# EAGLE board real_onboard_v8 v10 (EAGLE 9.7.0)
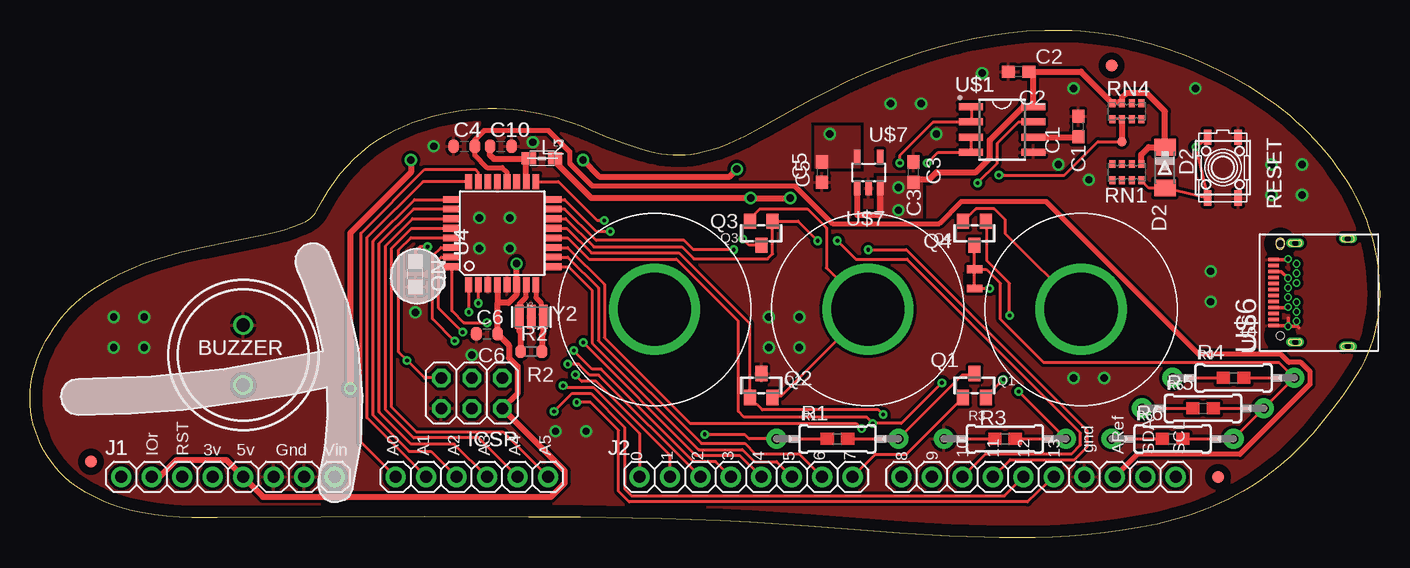
[diagram p0: board, top side]
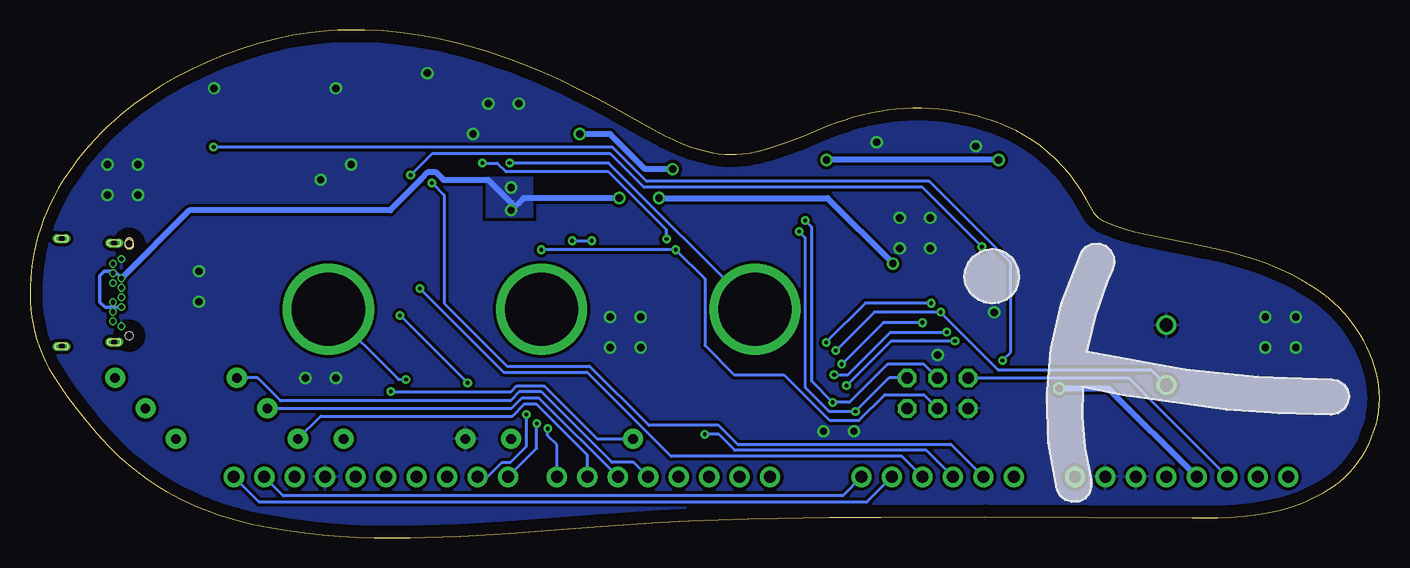
[diagram p1: board, bottom side, seen from below]

Size 112.5 x 42.33 mm. Coordinates in mm from the lower left corner, seen from the top.
Outline: 81.08,0 80.82,0 79.56,0.04 78.09,0.1 76.65,0.16 75.24,0.23 73.86,0.32 72.49,0.41 69.79,0.62 64.9,0.99 60.01,1.29 57.56,1.42 55.11,1.52 52.65,1.6 50.2,1.65 45.88,1.71 41.55,1.74 32.9,1.75 15.59,1.67 13.5,1.69 12.45,1.73 11.41,1.81 10.37,1.93 9.34,2.1 8.32,2.32 7.3,2.62 6.75,2.81 6.21,3.02 5.68,3.25 5.17,3.5 4.68,3.77 4.21,4.06 3.76,4.37 3.32,4.7 2.91,5.06 2.52,5.44 2.15,5.85 1.8,6.29 1.48,6.75 1.19,7.24 0.91,7.76 0.67,8.31 0.46,8.88 0.29,9.44 0.16,10 0.07,10.55 0.02,11.11 0,11.66 0.02,12.2 0.07,12.74 0.16,13.28 0.28,13.82 0.43,14.35 0.61,14.88 0.82,15.4 1.06,15.92 1.33,16.43 1.63,16.95 1.94,17.44 2.27,17.9 2.62,18.35 2.98,18.77 3.37,19.17 3.77,19.56 4.19,19.92 4.62,20.27 5.06,20.59 5.52,20.91 6.47,21.49 7.47,22.01 8.51,22.49 9.48,22.88 10.47,23.22 11.47,23.52 12.48,23.79 14.52,24.26 16.57,24.69 19.64,25.31 20.41,25.49 21.17,25.7 21.92,25.93 22.66,26.21 23.04,26.39 23.38,26.63 23.67,26.92 23.8,27.09 23.91,27.27 24.39,28.13 24.85,28.92 25.34,29.66 25.87,30.35 26.43,30.99 27.01,31.59 27.63,32.15 28.27,32.66 28.95,33.14 29.65,33.57 30.38,33.96 31.13,34.31 31.91,34.63 32.71,34.91 33.54,35.15 34.39,35.36 35.26,35.53 36,35.65 36.73,35.73 37.45,35.79 38.18,35.81 38.9,35.81 39.61,35.78 40.33,35.72 41.04,35.63 41.74,35.52 42.45,35.39 43.15,35.22 43.85,35.04 44.54,34.83 45.23,34.59 45.92,34.34 46.61,34.05 48.07,33.44 49.55,32.88 50.3,32.62 51.05,32.39 51.82,32.19 52.6,32.03 53.1,31.96 53.6,31.92 54.1,31.92 54.59,31.94 55.09,31.99 55.58,32.07 56.08,32.18 56.57,32.3 57.34,32.54 58.09,32.81 58.82,33.13 59.54,33.47 60.95,34.22 62.34,35.01 63.79,35.82 65.24,36.61 66.71,37.37 68.2,38.09 69.7,38.77 71.23,39.4 72.78,39.99 74.35,40.52 75.79,40.95 77.23,41.32 78.69,41.64 80.15,41.91 81.62,42.11 83.1,42.25 84.59,42.32 86.1,42.33 86.86,42.3 87.61,42.26 88.36,42.19 89.11,42.1 90.59,41.87 92.06,41.56 93.5,41.18 94.93,40.73 96.35,40.21 97.75,39.63 99.05,39.02 100.32,38.37 101.55,37.67 102.74,36.91 103.89,36.09 105,35.2 105.54,34.74 106.06,34.25 106.57,33.75 107.07,33.23 107.57,32.68 108.05,32.11 108.51,31.54 108.95,30.95 109.37,30.36 109.77,29.75 110.14,29.13 110.48,28.5 110.81,27.85 111.11,27.19 111.38,26.52 111.62,25.84 111.84,25.14 112.02,24.42 112.18,23.7 112.31,22.95 112.4,22.29 112.46,21.62 112.49,20.97 112.5,20.32 112.48,19.67 112.43,19.03 112.36,18.39 112.25,17.77 112.11,17.14 111.94,16.53 111.73,15.92 111.5,15.32 111.23,14.72 110.92,14.13 110.58,13.55 110.21,12.97 109.42,11.87 108.62,10.78 107.79,9.73 106.92,8.7 106,7.72 105.04,6.78 104.03,5.89 103.5,5.47 102.95,5.06 102.36,4.65 101.76,4.26 101.16,3.9 100.54,3.56 99.92,3.23 99.29,2.93 98.65,2.65 98,2.38 96.69,1.91 95.34,1.5 93.98,1.16 92.59,0.87 91.1,0.62 89.61,0.42 88.13,0.27 86.67,0.15 85.22,0.07 83.81,0.03 82.42,0 81.08,0
Copper layers (1*16): Top 0.035mm / dielectric 1.5mm / Bottom 0.035mm
Design rules "default *": minimum track width 6mil, minimum drill 12mil, track to track 6mil, track to pad 6mil, pad to pad 6mil, via to via 6mil, smd to smd 6mil, copper to edge 40mil, drill to drill 6mil, minimum pad ring 4mil, minimum via ring 8mil, stop-mask expansion 4mil, vias tented up to drill 0mil, thermal gap 10mil
Net classes: 0 default: width 0.254 mm, clearance 0.254 mm; 1 power: width 0.61 mm, drill 0.61 mm, clearance 0.254 mm; 2 gnd: width 0.305 mm, drill 0.559 mm, clearance 0.254 mm; 3 usbvcc: width 0.508 mm, drill 0.61 mm, clearance 0.254 mm; 4 aref: width 0.406 mm, drill 0.61 mm, clearance 0.254 mm
tRestrict: area 35.7,28.7 to 36.1,29.2; area 35.6,21.7 to 36.1,22.1; area 42.6,28.7 to 43.2,29.1; area 60.7,12.3 to 61.1,12.8; area 37.7,34.4 to 38.1,35; area 37.9,19.6 to 38.4,20.2

## Footprints (pad centres in the part's own frame; a part is rotated, then mirrored left to right if it is on the bottom)
PLUGIN,D=12.5MM = drill 1.1: 1 -2.5,0; 2 2.5,0
C0603 = smd 1.1 x 1: 1 -0.85,0; 2 0.85,0
C0603-ROUND = smd 0.898 x 1.1: 1 -0.889,0; 2 0.889,0
MINIMELF = smd 1.4 x 1.8: A 1.7,0; C -1.7,0
FD-1-1.5 = smd 1.016 x 1.016: P$1 0,0
2X03 = drill 0.95 pad 1.55 octagon: 1 -2.54,-1.27; 2 -2.54,1.27; 3 0,-1.27; 4 0,1.27; 5 2.54,-1.27; 6 2.54,1.27
1X14-CUSTOM = drill 1 pad 1.676: 3V 0,15.24; 5V 0,12.7; A0 0,0; A1 0,-2.54; A2 0,-5.08; A3 0,-7.62; A4 0,-10.16; A5 0,-12.7; GND1 0,7.62; GND2 0,10.16; IOREF 0,20.32; RESERVED 0,22.86; RESET 0,17.78; VIN 0,5.08
1X18-CUSTOM = drill 1 pad 1.676: AREF 0,21.844; D0 0,-17.78; D1 0,-15.24; D2 0,-12.7; D3 0,-10.16; D4 0,-7.62; D5 0,-5.08; D6 0,-2.54; D7 0,0; D8 0,4.064; D9 0,6.604; D10 0,9.144; D11 0,11.684; D12 0,14.224; D13 0,16.764; GND 0,19.304; SCL 0,26.924; SDA 0,24.384
0805 = smd 1.2 x 1: 1 -1.1,0; 2 1.1,0
CHIP-LED0805 = smd 1.2 x 1.2: A 0,-1.05; C 0,1.05
SOT23-WIDE = smd 1 x 1.27: 1 -0.95,-1; 2 0.95,-1; 3 0,1
0603-THM = drill 0.813 pad 1.676: 1 -5.08,0; 2 5.08,0
R0603-ROUND = smd 0.898 x 1.1: 1 -0.889,0; 2 0.889,0
HXTS4550TP250GF009 = smd 1.27 x 0.635: 1 -2.54,1.27; 2 2.54,1.27; 3 -2.54,-1.27; 4 2.54,-1.27
CAY16 = smd 0.5 x 0.65: 1 -1.2,-0.675; 2 -0.4,-0.675; 3 0.4,-0.675; 4 1.2,-0.675; 5 1.2,0.675; 6 0.4,0.675; 7 -0.4,0.675; 8 -1.2,0.675
TP-SP = smd 0.8 x 0.8 bottom: X 0,0
TQFP32-08 = smd 1.27 x 0.559: 1 -4.293,2.8; 2 -4.293,2; 3 -4.293,1.2; 4 -4.293,0.4; 5 -4.293,-0.4; 6 -4.293,-1.2; 7 -4.293,-2; 8 -4.293,-2.8; 17 4.293,-2.8; 18 4.293,-2; 19 4.293,-1.2; 20 4.293,-0.4; 21 4.293,0.4; 22 4.293,1.2; 23 4.293,2; 24 4.293,2.8 | smd 0.559 x 1.27: 9 -2.8,-4.293; 10 -2,-4.293; 11 -1.2,-4.293; 12 -0.4,-4.293; 13 0.4,-4.293; 14 1.2,-4.293; 15 2,-4.293; 16 2.8,-4.293; 25 2.8,4.293; 26 2,4.293; 27 1.2,4.293; 28 0.4,4.293; 29 -0.4,4.293; 30 -1.2,4.293; 31 -2,4.293; 32 -2.8,4.293
SOIC-8 = smd 2 x 0.6: 1 -2.6,1.905; 2 -2.6,0.635; 3 -2.6,-0.635; 4 -2.6,-1.905; 5 2.6,-1.905; 6 2.6,-0.635; 7 2.6,0.635; 8 2.6,1.905
24.247 = drill 6.1 pad 7.6: P$1 0,0
WIRE_NC = smd 0.635 x 1.27: P$1 -0.8,0; P$2 0.8,0
HC005-1A1H1A103-0HR = smd 0.3 x 0.9: A1 -2.75,8.73; A2 -2.25,8.73; A3 -1.75,8.73; A4 -1.25,8.73; A5 -0.75,8.73; A6 -0.25,8.73; A7 0.25,8.73; A8 0.75,8.73; A9 1.75,8.73; A10 1.25,8.73; A11 2.25,8.73; A12 2.75,8.73 | drill 0.4 pad 0.65: B1 2.8,7.52; B2 2.4,6.81; B3 1.6,6.81; B4 1.2,7.52; B5 0.8,6.81; B6 0.4,7.52; B7 -0.4,7.52; B8 -0.8,6.81; B9 -1.2,7.52; B10 -1.6,6.81; B11 -2.4,6.81; B12 -2.8,7.52 | drill 0.5 pad 0.75 long: P$19 -4.49,2.53; P$20 -4.125,6.92; P$21 4.125,6.92; P$22 4.49,2.53 | hole 0.65: -3.6,8.17; 4.075,8.17
SOT23-5 = smd 0.55 x 1.2: 1 -0.95,-1.3; 2 0,-1.3; 3 0.95,-1.3; 4 0.95,1.3; 5 -0.95,1.3
RESONATOR = smd 0.7 x 2: 1 -1,0; 2 0,0; 3 1,0

## Placement (x,y rotation side)
BUZZER  ZL-YDW1207-4005PA-5  [PLUGIN,D=12.5MM]  17.78,15.24 90 top
C1  1nF  [C0603]  87.38,34.29 90 top
C2  0.1uF  [C0603]  82.42,38.86 180 top
C3  1uF  [C0603]  73.66,30.48 90 top
C4  100n  [C0603-ROUND]  36.2,32.64 0 top
C5  1uF  [C0603]  66.04,30.48 270 top
C6  100n  [C0603-ROUND]  38.1,17.02 0 top
C10  100nF  [C0603-ROUND]  39.24,32.64 0 top
D2  CD1206-S01575  [MINIMELF]  94.61,30.86 270 top
FD1  DNP  [FD-1-1.5]  5.08,6.35 0 top
FD2  DNP  [FD-1-1.5]  99.06,5.08 0 top
FD3  DNP  [FD-1-1.5]  90.17,39.37 0 top
ICSP  3x2 M  [2X03]  36.83,12.06 180 top
J1  -  [1X14-CUSTOM]  30.48,5.08 90 top
J2  PINHD-1X18-CUSTOM(PINHD-1X18)  [1X18-CUSTOM]  68.58,5.08 270 top
L2  10uH  [0805]  42.67,31.62 180 top
ON  GREEN  [CHIP-LED0805]  32.13,21.97 180 top
Q1  properties  [SOT23-WIDE]  78.74,12.7 0 top
Q2  MMBT2369A  [SOT23-WIDE]  60.96,12.7 0 top
Q3  MMBT2369A  [SOT23-WIDE]  60.96,25.4 180 top
Q4  MMBT2369A  [SOT23-WIDE]  78.74,25.4 180 top
R1  100k  [0603-THM]  67.31,8.26 0 top
R2  1M  [R0603-ROUND]  41.78,15.54 0 top
R3  50k  [0603-THM]  81.28,8.26 0 top
R4  100k  [0603-THM]  100.33,13.34 0 top
R5  10k  [0603-THM]  97.79,10.79 0 top
R6  1k  [0603-THM]  95.25,8.26 0 top
RESET  HX TS4550TP 250gf 009  [HXTS4550TP250GF009]  99.44,30.86 270 top
RN1  10K  [CAY16]  91.44,30.48 0 top
RN4  1K  [CAY16]  91.44,35.56 180 top
TP_ONL  TP_SP  [TP-SP]  91.04,33.02 0 bottom
U4  ATMEGA328P-AU  [TQFP32-08]  39.37,25.4 90 top
U$1  ACS712  [SOIC-8]  81.03,34.04 0 top
U$2  24.247.2  [24.247]  69.85,19.05 0 top
U$3  24.247  [24.247]  52.07,19.05 0 top
U$4  24.247  [24.247]  87.63,19.05 0 top
U$5  WIRE_NC  [WIRE_NC]  78.74,21.59 90 top
U$6  HC005-1A1H1A103-0HR  [HC005-1A1H1A103-0HR]  112.39,20.45 90 top
U$7  ME6212C33M5G  [SOT23-5]  69.92,30.45 0 top
Y2  CSTNE16M0VH3C000R0  [RESONATOR]  41.78,18.41 180 top

## Library data of the parts
BUZZER J1 J2 RESET U$2-U$4 U$7 = louis
C1-C3 C5 = rcl; SPICEPREFIX: C
C4 C6 ICSP R2 TP_ONL U4 Y2 = SmartPrj
C10 = Condensatori; CASE: 0603; MONTHLY_USAGE: _____; PART_NUMBER: 100nF_0603; PRICE: _____; SUPPLIER: _____; TYPE: Condensatori
D2 = Diode
FD1-FD3 = Arduino-utility; DATASHEET: DNP; DISTRIBUTOR-LINK: DNP; DISTRIBUTOR-PN: DNP; MANUFACTURER: DNP; MANUFACTURER-PN: DNP
L2 = Induttanze; CASE: 0805; MONTHLY_USAGE: _____; PART_NUMBER: CV201210-100K; PRICE: _____; SUPPLIER: _____; TYPE: Induttanze
ON = LED
Q1-Q4 = microbuilder (1)
R1 R3-R6 = louis-1
RN1 RN4 = resistor-dil
U$1 = Library
U$5 = bawa
U$6 = louis-3

## Nets
+3V3: C5.1 J1.3V U$7.5
+5V [usbvcc]: C2.1 C3.1 C6.2 D2.C ICSP.2 J1.5V J1.IOREF L2.1 RN1.5 RN4.3 RN4.4 U4.4 U4.6 U$1.8 U$6.A4 U$6.A9 U$6.B4 U$6.B9 U$7.1 U$7.3
A0: J1.A0 U4.23
A1: J1.A1 U4.24 U$1.7
A2: J1.A2 R1.1 R3.2 U4.25
A3: J1.A3 U4.26 U$5.P$1
A4/SDA: J1.A4 J2.SCL U4.27
A5/SCL: J1.A5 J2.SDA U4.28
AREF [aref]: C4.2 J2.AREF U4.20
GND [gnd]: BUZZER.2 C1.2 C2.2 C3.2 C4.1 C5.2 C6.1 C10.2 ICSP.6 J1.GND1 J1.GND2 J2.GND ON.C Q2.3 R3.1 RESET.1 RESET.2 U4.3 U4.5 U4.21 U$1.5 U$6.A1 U$6.A12 U$6.B1 U$6.B12 U$7.2 Y2.2
IO0: J2.D0 U4.30
IO1: J2.D1 U4.31
IO2: J2.D2 U4.32
IO3: BUZZER.1 J2.D3 U4.1
IO4: J2.D4 R4.1 U4.2
IO5: J2.D5 R5.1 U4.9
IO6: J2.D6 R6.1 U4.10
IO7: J2.D7 Q1.1 U4.11
IO8: J2.D8 Q4.1 U4.12
IO9: J2.D9 Q2.1 U4.13
IP+: U$1.1 U$1.2 U$3.P$1
IP-: Q3.3 U$1.3 U$1.4
MISO: ICSP.1 J2.D12 U4.16
MOSI: ICSP.4 J2.D11 U4.15
N$1: Q2.2 Q3.2 U$2.P$1
N$3: ON.A RN4.5 RN4.6 TP_ONL.X
N$4 [usbvcc]: C10.1 L2.2 U4.18
N$5: C1.1 U$1.6
N$6: Q1.2 Q4.2 U$4.P$1
OHMMETER: Q4.3 R4.2 R5.2 R6.2 U$5.P$2
RESET: D2.A ICSP.5 J1.RESET RESET.3 RESET.4 RN1.4 U4.29
SCK: ICSP.3 J2.D13 U4.17
SS: J2.D10 Q3.1 U4.14
VIN [power]: J1.VIN
VOLTMETER: Q1.3 R1.2
XTAL1: R2.1 U4.7 Y2.3
XTAL2: R2.2 U4.8 Y2.1

## Tracks (layer width: path | path; a pad name or v marks a point on that pad's centre or on a via)
+3V3  (via drill 0.61)
  Top 0.508: v46.1,31.5 47.48,30.12 58.31,30.12 v58.93,30.73 | v31.75,31.5 31.75,30.45 26.7,25.41 v26.7,12.45
  Bottom 0.508: J1.3V 22.61,12.45 v26.7,12.45 | v31.75,31.5 v46.1,31.5 | v58.93,30.73 61.21,30.73 64.14,33.66 v66.67,33.66
  pour Top (no thermals): 65.41,30.86 69.22,30.86 69.22,34.29 65.41,34.29
+5V  (via drill 0.61)
  Top 0.305: U$6.B4 104.33,22.2 U$6.A9 | U$6.A4 104.83,19.2 U$6.B9
  Top 0.508: RN1.5 92.64,31.93 93.27,32.56 D2.C 94.61,35.55 93.1,37.07 91.38,37.07 91.04,36.73 RN4.3 90.81,36.32 90.42,36.32 RN4.4 87.61,38.86 C2.1 83.63,38.8 U$1.8 82.8,35.94 80.01,33.15 80.01,31.62 78.87,30.48 75.56,30.48 74.94,29.86 73.89,29.86 C3.1 | 69.01,29.15 U$7.1 68.97,26.9 70.87,26.9 U$7.3 | J1.IOREF 10.79,5.08 12.19,6.48 16.38,6.48 J1.5V 19.43,3.43 43.43,3.43 44.58,4.57 44.58,5.59 ICSP.2 40.65,12.08 40.65,14.27 39.94,14.99 39.94,16.07 C6.2 38.98,19.58 | v40.57,22.86 U4.6 40.56,21.09 40.56,20.26 39.88,19.58 38.98,19.58 | L2.1 43.77,31.35 46.8,28.32 v60.07,28.32 v63.37,28.32 | U4.4 38.98,21.09 38.98,19.58
  Bottom 0.305: U$6.B4 105.45,22.23 106.3,22.23 106.68,21.84 106.68,19.66 106.24,19.21 105.41,19.21 104.91,19.21 104.88,19.21
  Bottom 0.508: v60.07,28.32 46.01,28.32 40.57,22.88 v40.57,22.86 | v63.37,28.32 71.37,28.32 v72.39,27.3 72.39,27.94 74.3,29.84 78.03,29.84 78.64,30.45 79.35,30.45 79.86,29.95 79.86,29.92 82.47,27.3 99.22,27.3 U$6.B4 | U$6.B9 104.91,19.21
  other vias: 72.39,29.21
  pour Top (no thermals): 70.61,26.67 74.42,26.67 74.42,30.1 70.61,30.1
  pour Bottom (no thermals): 70.61,26.67 74.42,26.67 74.42,30.1 70.61,30.1
A0
  Top 0.254: J1.A0 27.59,7.97 27.59,25.4 32.9,30.71 37.13,30.71 37.37,30.47 U4.23
A1  (via drill 0.3)
  Top 0.254: J1.A1 28.1,10 28.1,25.04 32.75,29.69 U4.24 | v78.99,29.59 80.64,31.24 80.64,32.88 82.43,34.67 U$1.7
  Bottom 0.254: J1.A1 35.75,7.81 53.53,7.81 55.09,9.37 60.91,9.37 65.86,14.33 72.75,14.33 77.98,19.56 77.98,28.57 v78.99,29.59
A2  (via drill 0.3)
  Top 0.254: J1.A2 33.42,7.22 31.6,7.22 28.61,10.21 28.61,24.76 32.05,28.2 U4.25 | v56.26,8.64 59.56,8.64 59.94,8.26 R1.1 | R3.2 v82.42,12.19
  Bottom 0.254: J1.A2 37.78,7.3 53.74,7.3 55.07,8.64 v56.26,8.64 | v82.42,12.19 72.41,12.19 71.93,12.68 69.64,12.68 65.22,8.26 R1.1
A3  (via drill 0.3)
  Top 0.254: J1.A3 35.36,7.82 31.77,7.82 29.12,10.47 29.12,24.55 31.97,27.4 U4.26 | U$5.P$1 v80.01,20.79
  Bottom 0.254: J1.A3 39.81,6.79 59.05,6.79 66.07,13.82 73.04,13.82 v80.01,20.79
A4/SDA
  Top 0.254: J1.A4 37.39,8.33 31.98,8.33 29.63,10.69 29.63,24.34 31.89,26.6 U4.27
  Bottom 0.254: J2.SCL 93.43,3 42.72,3 J1.A4
A5/SCL
  Top 0.254: J1.A5 39.42,8.84 32.19,8.84 30.13,10.89 30.13,24.13 31.8,25.8 U4.28
  Bottom 0.254: J1.A5 44.75,3.51 91.39,3.51 J2.SDA
AREF
  Top 0.406: U4.20 39.75,29.72 39.75,30.48 39.37,30.86 38.1,30.86 37.08,31.88 C4.2 37.08,33.19 37.83,33.94 43.23,33.94 44.98,32.19 44.98,31.21 46.86,29.34 63.75,29.34 66.9,26.19 75.8,26.19 77.62,28.02 84.72,28.02 97.43,15.3 104.27,15.3 104.94,14.63 105.95,14.63 106.7,13.87 106.7,12.8 100.87,6.96 92.3,6.96 J2.AREF
GND  (via drill 0.61)
  Top 0.305: U$6.A12 104.83,23.2 U$6.B1 | U$6.A1 104.83,17.7 U$6.B12 | U$6.B12 105.67,17.65 105.79,17.53 | U$6.B12 104.9,17.67 104.9,18.29
  other vias: 33.66,32.64 32.13,18.8 36.83,15.24 37.47,24.13 41.91,32.97 37.47,26.67 40.01,26.67 40.01,24.13 75.56,33.66 79.38,38.73 87,37.47 97.16,37.47 103.5,31.11 103.5,28.57 106.05,31.11 106.05,28.57 88.27,29.84 85.72,31.11 43.81,8.89 46.35,8.89 61.59,15.88 61.59,18.41 64.14,15.88 64.14,18.41 87,13.34 89.53,13.34 71.75,36.2 74.3,36.2 98.42,22.23 98.42,19.68 6.99,18.41 6.99,15.88 9.53,18.41 9.53,15.88
  pour Top (rank 6): -1.27,0 119.38,0 119.38,43.18 -1.27,43.18
  pour Bottom (rank 6): -1.27,-1.27 116.84,-1.27 116.84,44.45 -1.27,44.45
IO0  (via drill 0.3)
  Top 0.254: J2.D0 50.8,8.72 46.98,12.55 44.58,12.55 v44.44,12.69 | v35.4,16.41 33.55,18.25 33.55,23.5 34.25,24.2 U4.30
  Bottom 0.254: v44.44,12.69 40.72,16.41 v35.4,16.41
IO1  (via drill 0.3, 0.35)
  Top 0.254: J2.D1 53.34,6.9 47.19,13.06 46,13.06 v45.47,13.59 | v36.07,17.14 34.06,19.15 34.06,23.16 34.3,23.4 U4.31
  Bottom 0.254: v45.47,13.59 44.32,13.59 40.77,17.14 v36.07,17.14
IO2  (via drill 0.3, 0.35)
  Top 0.254: U4.32 35.18,22.5 35.18,18.92 36.15,17.95 v38.1,17.95 | v44.83,14.48 45.74,14.48 46.65,13.56 47.4,13.56 J2.D2
  Bottom 0.254: v38.1,17.95 41.36,17.95 v44.83,14.48
IO3  (via drill 0.3)
  Top 0.254: 36.58,18.83 U4.1 | J2.D3 57.15,6.35 55.33,6.35 47.61,14.07 46.86,14.07 v45.33,15.61
  Top 0.305: 36.58,18.83 v36.59,18.81
  Bottom 0.254: BUZZER.1 19.07,14.03 31.81,14.03 v36.59,18.81 42.12,18.81 v45.33,15.61
IO4  (via drill 0.3)
  Top 0.254: J2.D4 59.18,6.86 55.54,6.86 46.13,16.26 v46.13,16.29 | U4.2 v37.37,19.56
  Bottom 0.254: v37.37,19.56 42.87,19.56 v46.13,16.29 | R4.1 93.53,13.34 91.62,11.43 72.46,11.43 71.72,12.17 69.85,12.17 63.98,6.3 62.18,6.3 J2.D4
IO5
  Top 0.254: J2.D5 62.23,6.35 60.41,6.35 59.39,7.37 55.75,7.37 46.87,16.24 46.87,20.63 44.91,22.6 U4.9
  Bottom 0.254: R5.1 72.37,10.79 71.51,11.66 70.08,11.66 J2.D5
IO6
  Top 0.254: J2.D6 64.08,7.04 60.44,7.04 59.6,7.87 55.96,7.87 47.38,16.45 47.38,20.84 44.82,23.4 U4.10
  Bottom 0.254: R6.1 88.27,10.16 72.29,10.16 71.3,11.15 70.29,11.15 66.04,6.9 J2.D6
IO7  (via drill 0.3)
  Top 0.254: U4.11 44.82,24.2 47.89,21.14 47.89,16.68 55.02,9.55 68.89,9.55 v69.34,9.1 | Q1.1 73.08,6.99 70.48,6.99 J2.D7
  Bottom 0.254: J2.D7 68.58,7.76 69.34,8.52 v69.34,9.1
IO8  (via drill 0.3)
  Top 0.254: v81.66,18.54 81.66,21.21 79.76,23.11 79.76,26.29 Q4.1 | U4.12 44.83,25 46.59,23.24 53.89,23.24 59.05,18.08 59.05,10.54 59.54,10.06 69.75,10.06 v70.26,9.55 72.64,9.55 v76.02,12.93
  Bottom 0.254: v70.26,9.55 70.26,7.47 J2.D8 | v81.66,18.54 81.64,18.54 v76.02,12.93
IO9  (via drill 0.3)
  Top 0.254: v71.12,10.29 70.74,10.67 61.04,10.67 Q2.1 60.01,17.84 54.1,23.75 46.8,23.75 44.75,25.8 U4.13
  Bottom 0.254: J2.D9 74.37,5.08 73.15,6.3 72.44,6.3 71.12,7.62 v71.12,10.29
IP+  (via drill 0.3)
  Top 0.254: U$1.1 78.49,35.94 78.49,34.67 U$1.2 75.31,34.67 72.52,31.88 v72.52,31.24
  Bottom 0.254: v72.52,31.24 64.26,31.24 U$3.P$1
IP-  (via drill 0.3)
  Top 0.254: U$1.3 78.49,33.4 78.49,32.13 U$1.4 75.69,32.13 v74.8,31.24 | Q3.3 59.94,24.4 v59.44,24.91
  Bottom 0.254: v74.8,31.24 73.56,31.24 72.82,30.5 64.26,30.5 59.44,25.68 v59.44,24.91
MISO  (via drill 0.3)
  Top 0.254: U4.16 44.57,28.2 47.24,25.53 v48.39,25.53 | v43.69,10.54 45.19,12.04 46.76,12.04 49.58,9.22 49.58,4.09 50.16,3.51 81.23,3.51 J2.D12
  Bottom 0.254: ICSP.1 40.89,13.34 v43.69,10.54 43.71,10.57 45.9,10.57 47.89,12.55 47.89,25.03 v48.39,25.53
MOSI  (via drill 0.3)
  Top 0.254: U4.15 44.58,27.4 47.19,24.79 54.53,24.79 55.31,24.02 v58.67,24.02 | J2.D11 81.71,6.53 87.08,6.53 88.09,7.54 88.09,8.97 73.04,24.02 v69.86,24.02
  Bottom 0.254: ICSP.4 37.99,11.95 41.24,11.95 43.38,9.8 45.85,9.8 49.65,13.6 53.8,13.6 56.25,16.05 56.25,21.59 v58.67,24.02 v69.86,24.02
N$1
  Top 0.254: Q2.2 61.98,11.81 62.61,11.81 U$2.P$1 66.4,22.5 66.4,25.83 64.81,27.42 60.87,27.42 60.01,26.55 Q3.2
N$3  (via drill 0.3, 0.35)
  Top 0.254: 91.04,33.13 TP_ONL.X 89.03,33.02 86.23,30.23 v80.77,30.23 | RN4.5 90.3,34.92 90.81,34.92 RN4.6 | ON.A 32.13,23.93 32.46,24.26 v33.15,24.26
  Top 0.508: RN4.6 91.04,33.13
  Bottom 0.254: v80.77,30.23 78.99,32 64.1,32 61.31,29.21 38.1,29.21 v33.15,24.26
N$4
  Top 0.508: L2.2 41.37,31.42 U4.18 41.37,31.58 38.67,31.58 38.35,31.89 C10.1
N$5
  Top 0.254: 87.34,33.4 C1.1
  Top 0.508: U$1.6 87.34,33.4
N$6  (via drill 0.3)
  Top 0.254: Q1.2 79.69,11.74 v81.15,13.21 | U$4.P$1 81.28,25.4 81.28,26.54 80.39,27.43 78.87,27.43 77.85,26.42 Q4.2
  Bottom 0.254: U$4.P$1 81.79,13.21 v81.15,13.21
OHMMETER
  Top 0.254: R6.2 R5.2 R4.2 104.13,14.62 84.5,14.62 80.9,18.22 80.9,21.21 79.72,22.39 U$5.P$2 Q4.3
RESET  (via drill 0.3)
  Top 0.254: RESET.3 v97.19,32.57 RESET.4 94.69,29.16 D2.A 93.28,29.16 RN1.4 | ICSP.5 32.89,13.34 v31.43,14.8 30.73,15.49 30.73,24 31.75,25.02 35.05,25.02 U4.29
  Bottom 0.254: ICSP.5 20.95,13.34 J1.RESET | v31.43,14.8 30.73,15.49 30.73,22.92 37.53,29.72 61.1,29.72 63.95,32.57 v97.19,32.57
SCK  (via drill 0.3)
  Top 0.254: J2.D13 83.16,3 49.95,3 49.07,3.88 49.07,8.97 46.74,11.3 v45.59,11.3 | U4.17 44.05,29.69 47.3,26.44 v47.88,26.44
  Bottom 0.254: ICSP.3 37.99,14.49 41.01,14.49 44.2,11.3 v45.59,11.3 47.37,13.08 47.37,25.93 v47.88,26.44
SS  (via drill 0.3)
  Top 0.254: U4.14 44.66,26.6 47.01,24.26 54.35,24.26 55.35,23.26 61.49,23.26 61.91,23.68 Q3.1 64.02,26.4 v65.66,24.77 | J2.D10 79.68,7.04 86.86,7.04 87.58,7.75 87.58,8.76 73.11,23.23 68.84,23.23 v67.31,24.77
  Bottom 0.254: v67.31,24.77 v65.66,24.77
VOLTMETER
  Top 0.254: Q1.3 78.74,13.59 77.72,13.59 R1.2
XTAL1
  Top 0.406: Y2.3 40.78,19.48 41.37,20.07 U4.7
  Top 0.508: Y2.3 40.78,17.26 40.89,17.14 R2.1
XTAL2
  Top 0.406: Y2.1 42.59,18.61 42.59,19.6 42.17,20.02 U4.8
  Top 0.508: Y2.1 42.78,17.03 42.67,16.92 R2.2

## Text on the board
_tPlace: RESET | U4
_tNames: C2 | RN4 | U$1 | C4 | C10 | L2 | U$7 | C5 | C1 | RN1 | D2 | Q3 | C3 | Q4 | ON | Y2 | BUZZER | C6 | R4 | U$6 | Q1 | R2 | Q2 | R5 | R1 | R6 | ICSP | R3 | J1 | J2
_tValues: 0.1uF | 1K | TS42031-160R-TR-7260 | 1uF | CD1206-S01575 | 10K | 1nF | 100n | 100nF | 10uH | ACS712 | 1uF | ME6212C33M5G | MMBT2369A | MMBT2369A | GREEN | CSTCE16M0V53-R0 16MHZ | 3x2 M | 100n | 1M | ZL-YDW1207-4005PA-5 | MMBT2369A | MMBT2369A | 100k | 10k | 100k | 50k | 1k | PINHD-1X18-CUSTOM(PINHD-1X18)
200bmp: /Users/louisgan/Downloads/Fnt (5).bmp
201bmp: /Users/louisgan/Downloads/BACK-flipped.bmp
202bmp: /Users/louisgan/Downloads/Convert any image to BMP (1).bmp